# Allegro board LAY-27392_C.brd (continued)
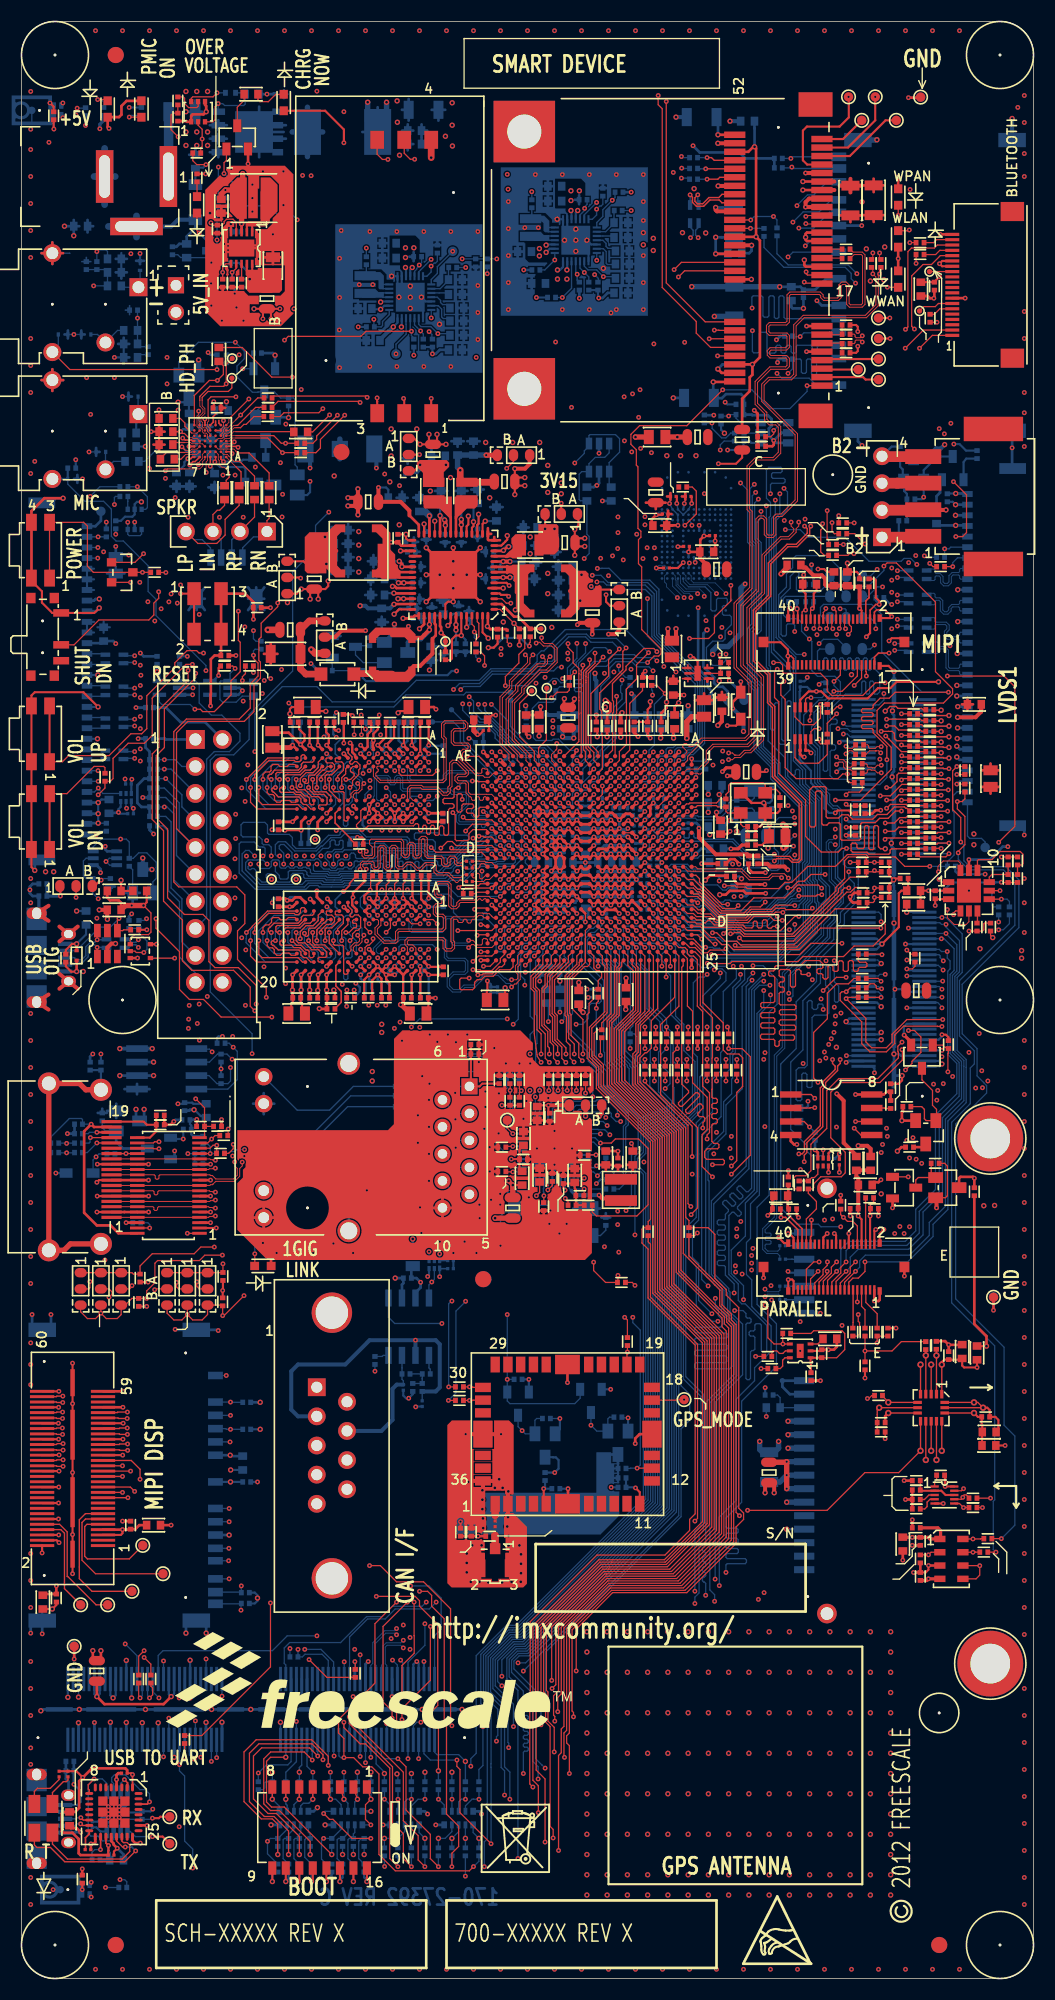
[diagram p0: board, top side]
## Routing (per net, layer and track width the routed paths; a pad name or vN(x,y) marks a point on that pad's centre or on a via; arc(x,y) is an arc through that point) (continued)
  L6_INT_2 w0.114: v1(13.88,24.51) 15.03,23.37 33.78,23.37 34.38,23.97 v1(34.38,24)
  BOTTOM w0.119: J508.40 v1(13.88,24.51) ; J508.102 v1(34.38,24)
EIM_DA0: length 149.4
  TOP w0.119: v1(28.88,20.07) 28.88,20.93 27.33,22.48 22.1,22.48 20.96,21.34 20.96,16.66 22.58,15.04 23.62,15.04 24.13,14.53 v2(24.13,11.68) ; R131.2 v1(58.67,86.49)
  TOP w0.178: v1(55.47,99.41) U1.L20
  L3_INT_1 w0.114: v1(55.47,99.41) 55.08,99.02 54.32,99.02 53.47,98.17 53.47,94.77 55.94,92.3 56.55,92.3 57.47,91.38 57.47,91.38 58.29,90.55 58.29,89.7 58.29,89.7 58.29,87.34 58.67,86.96 v1(58.67,86.49) 58.67,85.72 58.04,85.09 58.04,82.17 59.03,81.18 59.03,73.88 58.96,73.81 58.96,73.1 56.67,70.82 56.67,70.06 55.28,68.67 55.28,68.07 54.16,66.95 37.97,66.95 34.11,63.09 34.11,51.99 32.02,49.9 32.02,35.05 30.86,33.89 30.86,29.64 30.51,29.29 30.51,26.95 29.62,26.06 29.62,22.73 28.88,22 v1(28.88,20.07)
  L6_INT_2 w0.114: v1(13.38,20.88) 14.57,19.69 20.37,19.69 20.62,19.94 27.89,19.94 28.02,20.07 v1(28.88,20.07)
  BOTTOM w0.119: J508.80 v1(28.88,20.07) ; 24.13,12.45 v2(24.13,11.68) ; J508.38 v1(13.38,20.88)
  BOTTOM w0.127: R702.2 24.13,12.45
EIM_DA1: length 134.3
  TOP w0.119: v1(28.38,20.6) 28.38,21.07 27.36,22.1 22.35,22.1 21.46,21.21 21.46,16.66 22.86,15.27 23.77,15.27 25.15,13.89 v2(25.15,11.68) ; U1.J25 56.49,95.63 56.49,95.26 56.26,95.04 56.26,90.63 55.56,89.93 55.56,84.18 60.52,79.22 60.52,65 65.18,60.34 65.18,42.32 61.17,38.31 55.17,38.31 54.8,38.31 49.4,32.91 49.4,27.13 49.55,26.98 49.55,24.24 50.14,23.65 v1(50.14,21.34)
  L6_INT_2 w0.114: v1(50.14,21.34) 50.13,21.32 31.75,21.32 30.61,20.18 29.32,20.18 28.91,20.6 v1(28.38,20.6)
  BOTTOM w0.119: J508.78 v1(28.38,20.6) ; 25.15,12.45 v2(25.15,11.68)
  BOTTOM w0.127: R701.2 25.15,12.45
EIM_DA2: length 139.6
  TOP w0.119: v2(26.16,11.68) 26.16,13.39 24,15.54 23.22,15.54 21.84,16.92 21.84,20.96 22.61,21.72 27.13,21.72 v1(27.89,20.96)
  TOP w0.178: v1(55.47,98.61) U1.L21
  L6_INT_2 w0.114: v2(26.16,11.68) 26.16,11.25 26.61,10.79 32.89,10.79 33.53,10.16 35.27,10.16 35.27,10.15 35.59,10.15 35.6,10.16 36.54,10.16 36.54,10.15 36.86,10.15 36.87,10.16 37.81,10.16 37.81,10.15 38.13,10.15 38.14,10.16 39.08,10.16 39.08,10.15 39.4,10.15 39.41,10.16 40.35,10.16 40.35,10.15 40.67,10.15 40.68,10.16 43.01,10.16 43.02,10.15 43.17,10.15 v1(43.56,10.54)
  BOTTOM w0.119: v1(27.89,20.96) 27.88,20.96 J508.76 ; 26.16,12.45 v2(26.16,11.68) ; v1(55.47,98.61) 55.22,98.61 54.81,98.2 53.71,98.2 53.26,97.75 53.26,96.49 54.11,95.64 54.43,95.64 55.09,94.97 55.09,86.31 55.84,85.56 55.84,84.23 58.75,81.33 58.75,77.65 58.19,77.09 58.19,76.32 58.75,75.77 58.75,45.13 46.65,33.03 46.3,33.03 45.75,33.03 43.23,30.52 43.23,25.88 43.84,25.27 43.84,13.16 43.56,12.88 v1(43.56,10.54)
  BOTTOM w0.127: R700.2 26.16,12.45
EIM_DA3: length 141.3
  TOP w0.119: U1.K24 56.27,96.21 56.27,95.35 56.04,95.13 56.04,90.72 55.34,90.02 55.34,84.09 60.29,79.13 60.29,64.91 64.96,60.24 64.96,42.48 61.01,38.53 55.26,38.53 55.26,38.53 54.71,38.53 49.15,32.97 49.15,26.98 49.33,26.8 49.33,24.15 49.75,23.72 49.75,14.33 50.04,14.05 v1(50.04,13.24) ; v2(27.18,11.68) 27.18,12.93 24.28,15.82 23.44,15.82 22.81,16.46 22.81,20.68 23.47,21.34 26.62,21.34 27.08,20.88 27.08,20.87 v1(27.37,20.57)
  L6_INT_2 w0.114: v2(27.18,11.68) 28.29,12.8 43.22,12.8 43.89,13.46 49.82,13.46 v1(50.04,13.24)
  BOTTOM w0.119: 27.18,12.45 v2(27.18,11.68) ; v1(27.37,20.57) 27.37,21.14 27.38,21.15 J508.74
  BOTTOM w0.127: R699.2 27.18,12.45
EIM_DA4: length 114
  TOP w0.178: v1(55.47,97.81) U1.L22
  L6_INT_2 w0.114: v1(27.43,19.43) 27.43,18.92 27.98,18.38 31.37,18.38 32.11,17.64 44.07,17.64 44.43,17.28 v1(45.47,17.28)
  BOTTOM w0.119: v1(45.47,17.28) 45.47,19.56 45.15,19.88 45.15,25.59 43.93,26.81 43.93,30.27 46.02,32.37 46.39,32.37 46.93,32.37 59.42,44.86 59.42,81.59 56.81,84.21 56.81,85.78 55.97,86.61 55.97,89.57 55.76,89.79 55.76,95.25 55.08,95.93 55.08,97.17 55.47,97.56 v1(55.47,97.81) ; R690.2 v1(27.43,19.43)
  BOTTOM w0.127: J508.72 26.88,19.98 v1(27.43,19.43)
EIM_DA5: length 115.4
  TOP w0.178: v1(55.47,97.01) U1.L23
  L6_INT_2 w0.114: v2(26.16,19.43) 26.16,18.8 26.8,18.16 31.16,18.16 31.92,17.4 43.81,17.4 44.32,16.89 v1(45.97,16.89)
  BOTTOM w0.119: v1(45.97,16.89) 45.97,19.44 45.47,19.94 45.47,25.65 44.15,26.97 44.15,30.18 46.11,32.15 46.66,32.15 47.02,32.15 59.64,44.77 59.64,81.68 57.19,84.13 57.19,85.62 57.03,85.78 57.03,85.9 56.19,86.74 56.19,89.66 55.98,89.88 55.98,95.34 55.47,95.85 v1(55.47,97.01) ; R691.2 v2(26.16,19.43)
  BOTTOM w0.127: v2(26.16,19.43) 26.16,19.88 26.38,20.1 J508.70
EIM_DA6: length 114.2
  TOP w0.119: U1.K25 55.87,95.27 55.82,95.22 55.82,90.81 55.12,90.11 55.12,84 60.07,79.04 60.07,64.82 64.74,60.15 64.74,42.72 60.77,38.75 55.35,38.75 54.62,38.75 48.89,33.03 v1(48.89,25.81)
  L6_INT_2 w0.114: v1(25.88,24.21) 27.48,25.81 v1(48.89,25.81)
  BOTTOM w0.119: J508.68 v1(25.88,24.21) ; R692.2 24.89,19.43
  BOTTOM w0.127: J508.68 25.88,20.42 24.89,19.43
EIM_DA7: length 125.3
  TOP w0.119: U1.L25 55.07,95.43 55.12,95.38 55.12,90.87 53.67,89.42 53.67,86.78 54.54,85.91 54.54,83.94 55.53,82.96 59.63,78.86 59.63,64.58 64.3,59.91 64.3,42.91 60.59,39.19 55.53,39.19 54.43,39.19 48.39,33.15 48.39,26.33 48.13,26.08 48.13,18.67 48.64,18.16 v1(48.64,15.62)
  L6_INT_2 w0.114: v1(48.64,15.62) 48.26,16 33.22,16 33.06,16.17 32.72,16.17 32.55,16 29.2,16 27.81,17.39 25.66,17.39 v2(23.62,19.43)
  BOTTOM w0.119: R722.1 22.74,17.79 22.91,17.95 22.91,18.41 23.03,18.54 R693.2 v2(23.62,19.43)
EIM_DA8: length 137.1
  TOP w0.119: U1.L24 55.47,96.21 55.47,90.77 54.61,89.92 R120.2 54.22,89.27 53.89,88.95 53.89,86.87 54.76,86 54.76,84.04 55.75,83.05 59.85,78.95 59.85,64.67 64.52,60 64.52,42.81 60.68,38.97 55.44,38.97 55.44,38.97 54.53,38.97 48.61,33.06 48.61,26.23 48.44,26.06 48.44,19.63 49.28,18.8 v1(49.28,12.86) ; v2(24.88,20.84) 23.45,20.84 23.07,20.46 23.07,16.63 23.55,16.15 24.74,16.15 v2(29.21,11.68)
  L6_INT_2 w0.114: v2(29.21,11.68) 30.11,12.58 43.31,12.58 43.98,13.25 44.86,13.25 45.25,12.86 v1(49.28,12.86)
  BOTTOM w0.119: R698.2 v2(29.21,11.68)
  BOTTOM w0.127: J508.64 v2(24.88,20.84)
EIM_DA9: length 126.2
  TOP w0.119: v1(53.85,67.41) 53.85,66.62 54.97,65.51 R171.2 56.13,65.55 v1(56.13,66.17)
  TOP w0.178: v1(54.67,98.61) U1.M21
  L3_INT_1 w0.114: v1(56.13,66.17) 60.04,70.07 60.04,73.36 60.11,73.43 60.11,81.6 60.97,82.46 60.97,86.11 61.09,86.24 61.09,88.18 60.32,88.96 60.32,90.16 57.11,93.38 56.39,93.38 55.55,94.22 55.55,95.86 55.05,96.36 55.05,98.22 v1(54.67,98.61) ; v2(30.23,11.68) 29.91,12 29.91,12.41 25.43,16.89 25.43,17.58 24.38,18.62 v2(24.38,24.13) 24.92,24.66 27.61,24.66 30.12,27.18 30.12,29.16 29.77,29.51 29.77,33.38 31.7,35.31 31.7,50.24 33.76,52.3 33.76,63.17 38,67.41 v1(53.85,67.41)
  BOTTOM w0.119: 30.23,12.45 v2(30.23,11.68)
  BOTTOM w0.127: R697.2 30.23,12.45 ; J508.62 v2(24.38,24.13)
EIM_DA10: length 124.2
  TOP w0.119: v1(44.2,12.7) 41.27,15.62 41.27,19.69 40.98,19.98 v1(40.98,20.57)
  TOP w0.178: v1(54.67,97.81) U1.M22
  L6_INT_2 w0.114: v2(31.24,11.68) 31.88,12.32 43.81,12.32 v1(44.2,12.7)
  BOTTOM w0.119: R696.2 v2(31.24,11.68) ; v1(54.67,97.81) 54.42,97.81 54.01,97.4 53.71,97.4 53.48,97.17 53.48,96.58 54.2,95.86 54.52,95.86 55.31,95.07 55.31,89.6 55.44,89.48 55.44,86.28 56.22,85.51 56.22,84.17 58.97,81.42 58.97,45.03 46.74,32.81 46.2,32.81 45.84,32.81 43.48,30.46 43.48,26.24 44.2,25.53 44.2,20.24 44.19,20.23 44.19,19.9 44.2,19.9 v1(44.2,12.7) ; v1(40.98,20.57) 38.48,20.57 37.88,21.17 J508.116
EIM_DA11: length 115.5
  TOP w0.178: v1(54.67,99.41) U1.M20
  L6_INT_2 w0.114: v2(32.89,19.43) 33.53,19.43 34.04,19.94 36.62,19.94 v1(37.38,20.7) 39.07,19.02 42.95,19.02 43.06,19.13 43.06,19.58 43.16,19.69 43.32,19.69 43.43,19.58 43.43,19.13 43.53,19.02 43.69,19.02 43.79,19.13 43.79,19.58 43.9,19.69 44.05,19.69 44.16,19.58 44.16,19.13 44.27,19.02 44.42,19.02 44.53,19.13 44.53,19.58 44.64,19.69 44.79,19.69 44.9,19.58 44.9,19.13 45.01,19.02 45.61,19.02 45.85,19.25 45.85,19.99 45.62,20.22 42.93,20.22 42.7,19.99 v1(42.29,19.99)
  BOTTOM w0.119: v1(54.67,99.41) 54.67,99.16 53.93,98.42 53.62,98.42 53.04,97.84 53.04,95.67 54.78,93.92 54.78,87.21 54.87,87.12 54.87,86.03 55.5,85.4 55.5,84.26 58.53,81.24 58.53,77.74 57.97,77.18 57.97,76.23 58.53,75.67 58.53,45.22 46.56,33.25 45.65,33.25 42.8,30.4 42.8,21.21 42.29,20.7 v1(42.29,19.99) ; J508.114 v1(37.38,20.7)
  BOTTOM w0.127: R686.2 v2(32.89,19.43)
EIM_DA12: length 119.8
  TOP w0.119: U1.M24 54.67,96.21 54.67,95.52 54.9,95.28 54.9,90.96 53.45,89.52 53.45,86.69 54.32,85.82 54.32,83.85 55.31,82.87 59.41,78.77 59.41,64.49 64.08,59.82 64.08,43 60.5,39.42 55.63,39.42 55.63,39.42 54.34,39.42 48.13,33.21 48.13,26.39 47.84,26.1 47.84,18.33 v1(48.13,18.03)
  L6_INT_2 w0.114: v1(36.38,20.7) 35.88,20.19 33.78,20.19 33.53,19.94 32.13,19.94 v2(31.62,19.43) 31.62,18.92 32.69,17.86 47.54,17.86 47.72,18.03 v1(48.13,18.03)
  BOTTOM w0.119: J508.110 v1(36.38,20.7)
  BOTTOM w0.127: R687.2 v2(31.62,19.43)
EIM_DA13: length 124.3
  TOP w0.119: R133.2 v1(60.58,86.49)
  TOP w0.178: v1(54.67,97.01) U1.M23
  L3_INT_1 w0.114: v1(54.67,97.01) 54.67,96.21 55.17,95.71 55.17,94.29 56.3,93.16 57.02,93.16 60.08,90.1 60.08,88.51 60.29,88.3 60.29,87.19 60.58,86.9 v1(60.58,86.49) 60.58,85.47 60.19,85.08 60.19,81.99 59.89,81.69 59.89,73.52 59.82,73.45 59.82,70.36 56.39,66.93 55.91,66.93 54.98,66 40.54,66 39.05,64.51 38.35,64.51 35.05,61.21 35.05,47.75 34.54,47.24 34.54,46.58 34.44,46.48 34.14,46.48 34.04,46.37 34.04,46.22 34.14,46.11 34.44,46.11 34.54,46 34.54,45.85 34.44,45.74 34.14,45.74 34.04,45.63 34.04,45.48 34.14,45.37 34.44,45.37 34.54,45.26 34.54,45.11 34.44,45 34.14,45 34.04,44.9 34.04,44.74 34.14,44.64 34.44,44.64 34.54,44.53 34.54,44.37 34.44,44.27 34.14,44.27 34.04,44.16 34.04,44.01 34.14,43.9 34.44,43.9 34.54,43.79 34.54,43.64 34.44,43.53 34.14,43.53 34.04,43.42 34.04,43.27 34.14,43.16 34.44,43.16 34.54,43.05 34.54,42.9 34.44,42.79 34.14,42.79 34.04,42.69 34.04,42.53 34.14,42.43 34.44,42.43 34.54,42.32 34.54,42.17 34.44,42.06 34.14,42.06 34.04,41.95 34.04,41.8 34.14,41.69 34.44,41.69 34.54,41.58 34.54,41.43 34.44,41.32 34.14,41.32 34.04,41.21 34.04,41.06 34.14,40.95 34.44,40.95 34.54,40.84 34.54,40.69 34.44,40.58 34.14,40.58 34.04,40.48 34.04,40.32 34.14,40.22 34.44,40.22 34.54,40.11 34.54,39.96 34.44,39.85 34.14,39.85 34.04,39.74 34.04,39.59 34.14,39.48 34.44,39.48 34.54,39.37 34.54,39.22 34.44,39.11 34.14,39.11 34.04,39 34.04,38.85 34.14,38.74 34.44,38.74 34.54,38.63 34.54,38.48 34.44,38.37 34.14,38.37 34.04,38.27 34.04,38.11 34.14,38.01 34.44,38.01 34.54,37.9 34.54,37.75 34.44,37.64 34.14,37.64 34.04,37.53 34.04,37.38 34.14,37.27 34.44,37.27 34.54,37.16 34.54,35.99 33.96,35.41 33.96,35.17 33.85,35.06 33.2,35.06 33.1,34.95 33.1,34.8 33.2,34.69 33.85,34.69 33.96,34.58 33.96,34.43 33.85,34.32 33.2,34.32 33.1,34.21 33.1,34.06 33.2,33.95 33.85,33.95 33.96,33.85 33.96,33.69 33.85,33.59 33.2,33.59 33.1,33.48 33.1,33.32 33.2,33.22 33.85,33.22 33.96,33.11 33.96,32.96 33.85,32.85 33.2,32.85 33.1,32.74 33.1,32.59 33.2,32.48 33.85,32.48 33.96,32.37 33.96,32.22 33.85,32.11 33.2,32.11 33.1,32 33.1,31.85 33.2,31.74 33.85,31.74 33.96,31.64 33.96,30.94 v1(34.92,29.97) 34.92,29.01 32.32,26.4 32.32,23.43 30.99,22.1 30.99,20.45 30.35,19.81 v1(30.35,19.43)
  BOTTOM w0.119: J508.105 35.38,29.51 v1(34.92,29.97) ; R688.2 v1(30.35,19.43)
EIM_DA14: length 125.9
  TOP w0.119: R121.2 v1(58.67,89.53)
  TOP w0.178: v1(53.87,97.01) U1.N23
  L3_INT_1 w0.114: v1(29.08,19.43) 29.72,18.8 30.48,18.8 30.86,19.18 30.86,19.81 31.24,20.19 31.24,22.02 32.64,23.42 32.64,26.09 35.69,29.14 v1(35.69,29.97) ; v1(53.87,97.01) 53.87,94.68 56.03,92.51 56.64,92.51 58.67,90.48 v1(58.67,89.53) 58.67,88.17 59.09,87.76 59.09,85.76 58.25,84.92 58.25,82.59 59.25,81.6 59.25,73.79 59.18,73.72 59.18,72.85 56.97,70.64 56.97,69.9 55.5,68.43 55.5,67.79 54.36,66.65 37.97,66.65 34.33,63 34.33,48.55 33.15,47.37 33.15,46.88 33.04,46.77 32.39,46.77 32.28,46.66 32.28,46.51 32.39,46.4 33.04,46.4 33.15,46.29 33.15,46.14 33.04,46.03 32.39,46.03 32.28,45.92 32.28,45.77 32.39,45.66 33.04,45.66 33.15,45.55 33.15,45.4 33.04,45.29 32.39,45.29 32.28,45.19 32.28,45.03 32.39,44.93 33.04,44.93 33.15,44.82 33.15,44.67 33.04,44.56 32.39,44.56 32.28,44.45 32.28,44.3 32.39,44.19 33.04,44.19 33.15,44.08 33.15,43.93 33.04,43.82 32.39,43.82 32.28,43.71 32.28,43.56 32.39,43.45 33.04,43.45 33.15,43.35 33.15,43.19 33.04,43.08 32.39,43.08 32.28,42.98 32.28,42.82 32.39,42.72 33.04,42.72 33.15,42.61 33.15,42.46 33.04,42.35 32.39,42.35 32.28,42.24 32.28,42.09 32.39,41.98 33.04,41.98 33.15,41.87 33.15,41.72 33.04,41.61 32.39,41.61 32.28,41.5 32.28,41.35 32.39,41.24 33.04,41.24 33.15,41.14 33.15,40.89 32.26,40 32.26,33.15 31.37,32.26 v1(31.37,30.99)
  L6_INT_2 w0.114: v1(31.37,30.99) 34.67,30.99 v1(35.69,29.97)
  BOTTOM w0.119: v1(35.69,29.97) 35.88,29.78 J508.107 ; R689.2 v1(29.08,19.43)
EIM_DA15: length 149.6
  TOP w0.119: v1(47.65,26.59) 47.88,26.82 47.88,33.58 54.16,39.86 60.56,39.86 62.88,42.18 62.88,43.22 63.4,43.74 63.4,59.61 58.97,64.04 58.97,68.64 58.39,69.22 58.39,70.51 58.54,70.66 R167.2 58.98,71.22 59.19,71.43 59.19,78.67 55.09,82.77 54.1,83.76 54.1,85.72 53.23,86.6 53.23,90.7 53.42,90.88 53.42,91.76 53.78,92.13 53.78,92.9 53.97,93.08 R217.2 54.28,93.9 54.6,94.23 54.6,94.62 54.37,94.85 54.11,94.85 53.87,95.1 53.87,96.21 U1.N24
  L3_INT_1 w0.114: v2(32.26,11.68) 31.24,10.67 29.46,10.67 26.16,13.97 18.67,13.97 15.75,16.88 15.75,24.85 17.49,26.58 v1(18.88,26.58)
  L6_INT_2 w0.114: v1(47.65,26.59) 44.37,26.59 43.89,27.08 19.38,27.08 v1(18.88,26.58)
  BOTTOM w0.119: R695.2 v2(32.26,11.68) ; J508.59 v1(18.88,26.58)
EIM_EB0: length 129.7
  TOP w0.119: v1(35.31,35.43) 33.27,33.4 33.27,27.81 29.85,24.38 29.85,23.11 30.35,22.61 v1(30.35,20.8) 31.26,20.8 32.13,19.94 32.98,19.94 33.65,19.26 33.65,11.69 35.19,10.15 42.15,10.15 v1(42.54,10.55) ; R124.2 v1(61.72,89.53)
  TOP w0.178: v1(56.27,98.61) U1.K21
  L3_INT_1 w0.114: v1(35.31,35.43) 35.31,47.12 35.56,47.37 35.56,60.99 38.65,64.08 39.23,64.08 40.7,65.54 56.35,65.54 60.26,69.45 60.26,73.27 60.32,73.34 60.32,81.44 61.18,82.3 61.18,86.02 61.33,86.18 61.33,87.88 61.72,88.27 v1(61.72,89.53) 61.25,89.53 57.2,93.59 56.48,93.59 55.85,94.22 55.85,98.2 v1(56.27,98.61)
  BOTTOM w0.119: J508.84 29.88,20.97 30.05,20.8 v1(30.35,20.8) ; R703.2 43.05,11.05 42.55,10.55 v1(42.54,10.55)
EIM_EB1: length 108
  TOP w0.178: v1(56.27,97.01) U1.K23
  L6_INT_2 w0.114: v1(46.3,23.72) v1(43.43,23.72) 41.27,23.72 39.52,21.97 30.45,21.97 v1(29.43,20.96)
  BOTTOM w0.119: v1(46.3,23.72) 46.3,25.83 44.59,27.55 44.59,30 46.29,31.7 47.2,31.7 60.08,44.59 60.08,81.87 57.75,84.2 57.75,85.69 57.47,85.97 57.47,86.16 56.64,86.99 56.64,89.84 56.42,90.06 56.42,95.52 56.27,95.68 v1(56.27,97.01) ; v1(43.43,23.72) 43.43,20.07 43.05,19.69 R678.2 ; J508.82 29.38,21 v1(29.43,20.96)
EIM_EB2: length 126.4
  TOP w0.119: R219.2 v1(15.37,20.83)
  TOP w0.178: U1.E22 v1(60.27,97.81)
  L3_INT_1 w0.114: v1(40.51,23.8) v2(40.51,19.43)
  L6_INT_2 w0.114: v1(15.37,20.83) 15.37,21.59 16.13,22.35 39.07,22.35 v1(40.51,23.8) 40.83,24.12 47.96,24.12 48.18,23.89 v1(48.89,23.89)
  BOTTOM w0.119: v1(60.27,97.81) 60.33,97.81 60.74,97.4 61.23,97.4 61.55,97.08 61.55,90.57 62.33,89.79 62.33,87.32 62.34,87.32 63.37,86.28 63.37,81.65 62.07,80.35 62.07,55.78 62.89,54.97 62.89,52.55 62.07,51.73 62.07,43.47 49.33,30.73 49.33,25.55 48.89,25.12 v1(48.89,23.89) ; v1(15.37,20.83) 15.37,22.46 J508.46
  BOTTOM w0.127: R680.2 v2(40.51,19.43)
EIM_EB3: length 106.2
  TOP w0.119: v1(37.46,36.45) 38.23,36.45 38.61,36.07 38.61,35.05 39.79,33.87 39.79,24.23 39.24,23.69 v2(39.24,19.56)
  TOP w0.127: R136.2 v1(64.52,86.49)
  TOP w0.178: U1.F23 v1(59.47,97.01)
  L3_INT_1 w0.114: v1(37.46,36.45) 37.46,37.01 36.98,37.49 36.98,45.82 38.1,46.94 38.1,62.1 39.21,63.21 40.74,63.21 41.91,64.39 57.91,64.39 61.33,67.81 61.33,72.82 61.4,72.89 61.4,80.81 63.65,83.05 63.65,85.62 v1(64.52,86.49) 64.07,86.93 64.07,89.81 62.88,91 61.62,91 59.23,93.39 59.23,96.14 59.47,96.38 v1(59.47,97.01)
  BOTTOM w0.127: R681.2 v2(39.24,19.56)
EIM_LBA: length 158.9
  TOP w0.178: v1(56.27,97.81) U1.K22
  L6_INT_2 w0.114: v1(41.78,9.65) 33.53,9.65 32.77,10.41 v1(16.13,10.41) ; v1(14.88,20.14) 16.89,20.14 18.14,21.39 28.42,21.39 29.41,20.4 30.51,20.4 31.65,21.54 42.34,21.54 42.54,21.74 v1(45.86,21.74)
  BOTTOM w0.119: R704.2 v1(41.78,9.65) ; v1(56.27,97.81) 55.88,97.42 55.88,95.75 56.2,95.43 56.2,89.97 56.42,89.75 56.42,86.86 57.25,86.03 57.25,85.87 57.46,85.66 57.46,84.18 59.86,81.78 59.86,44.68 47.11,31.93 46.57,31.93 46.2,31.93 44.37,30.09 44.37,27.3 45.78,25.88 45.78,22.23 45.86,22.16 v1(45.86,21.74) ; J508.44 v1(14.88,20.14) 14.88,19.56 15.37,19.07 15.37,12.95 16.13,12.19 v1(16.13,10.41)
EIM_OE: length 123.1
  TOP w0.119: v1(49.9,28.07) 49.9,33.1 54.89,38.09 55.08,38.09 55.08,38.09 61.33,38.09 65.41,42.16 65.41,60.43 60.74,65.1 60.74,79.32 55.78,84.27 55.78,89.38 57.58,91.18 57.58,94.82 57.07,95.33 57.07,96.21 U1.J24
  L6_INT_2 w0.114: v1(49.9,28.07) 22.86,28.07 22.1,28.83 13.97,28.83 13.38,29.42 v1(13.38,29.89)
  BOTTOM w0.119: J508.37 v1(13.38,29.89)
EIM_RW: length 113.6
  TOP w0.178: v1(56.27,99.41) U1.K20
  L6_INT_2 w0.114: v1(44.7,22.35) 51.61,22.35 51.82,22.15 51.82,20.57 51.59,20.35 50.77,20.35 50.67,20.45 v2(41.78,20.45)
  BOTTOM w0.119: v2(41.78,20.45) 41.15,21.08 39.12,21.08 38.88,21.31 J508.120 ; v1(56.27,99.41) 55.86,99 55.86,98.43 55.63,98.2 55.31,98.2 55.08,97.97 55.08,97.62 54.85,97.4 54.51,97.4 54.28,97.17 54.28,96.42 55.54,95.16 55.54,89.7 55.75,89.48 55.75,86.43 56.51,85.67 56.51,84.19 59.2,81.5 59.2,44.95 46.84,32.59 46.48,32.59 45.93,32.59 43.71,30.37 43.71,26.48 44.83,25.35 44.83,22.89 44.7,22.77 v1(44.7,22.35)
  BOTTOM w0.127: R679.2 v2(41.78,20.45)
EIM_WAIT: length 115.9
  TOP w0.119: v1(40.51,10.54) 40.51,11.81 41.15,12.45 41.15,14.35 40,15.49 40,23.95 40.39,24.33 40.39,34.8 37.84,37.34 36.47,37.34 36.46,37.34 35.31,37.34 33.78,38.86 v1(32.77,38.86) ; U1.M25 v1(54.27,95.25)
  TOP w0.127: R132.2 v1(59.56,86.49)
  L3_INT_1 w0.114: v1(32.77,38.86) 32.77,40 33.45,40.68 33.45,47.03 34.54,48.13 34.54,61.32 38.17,64.94 38.87,64.94 40.36,66.43 54.67,66.43 55.85,67.61 56.06,67.61 59.39,70.95 59.39,73.63 59.46,73.7 59.46,84.01 59.18,84.29 59.18,85.21 59.56,85.6 v1(59.56,86.49) 59.56,87.08 59.3,87.34 59.3,90.2 56.77,92.73 56.12,92.73 54.27,94.58 v1(54.27,95.25)
  BOTTOM w0.119: R705.2 v1(40.51,10.54)
EMMC_3V3: length 7.8
  TOP w0.203: v1(64.22,135.73) 64.72,135.73 C23.1 ; v1(62.78,134.23) 62.85,134.3 C25.1
  TOP w0.254: v1(64.22,135.73) 63.88,135.38 63.88,134.28 C26.1 63.83,134.23 v1(62.78,134.23)
  TOP w0.381: SH11.2 64.44,133.05 63.88,133.6 63.88,134.2 C26.1
  BOTTOM w0.203: U512.M6 v1(62.78,134.23) U512.N5 ; U512.U9 v1(64.22,135.73) U512.T10
EMMC_VDDI: length 3.2
  TOP w0.203: v1(59.74,132.72) C27.1
  BOTTOM w0.076: U512.K2 60.53,132.48 59.98,132.48 v1(59.74,132.72) 60,132.97 60.53,132.97 U512.K2
EMMCIO_3V3: length 12
  TOP w0.127: C22.1 60.75,136.73
  TOP w0.203: 61.75,136.7 v1(61.78,136.73)
  TOP w0.254: 60.76,139.45 C19.1 ; C19.1 61.07,139.76 ; C19.1 61.07,139.13 ; C21.1 61.16,137.8 ; C21.1 60.85,137.48 ; C21.1 60.85,138.11 ; C20.1 62.47,139.76 ; C20.1 62.47,139.13 ; C20.1 62.15,139.45 ; C22.1 60.72,137.29 ; C22.1 60.72,136.12 ; C22.1 61.24,136.7 ; C22.1 60.2,136.7 ; 58.76,138.86 SH8.2 ; SH8.2 59.69,138.25 ; SH8.2 60.62,138.86 ; v1(61.78,136.73) 60.75,136.73
  BOTTOM w0.127: v1(60.99,138.79) U512.AA3 U512.Y4 U512.W4 v1(61.78,136.73)
  BOTTOM w0.152: U512.K6 v1(62.85,133.19)
  BOTTOM w0.203: v1(62.38,138.79) U512.AA5
ENET_REF_CLK: length 1.6
  BOTTOM w0.119: C726.1 49.78,93.98 49.4,93.6 R626.2
ENET_REFCLK: length 5.2
  TOP w0.178: U1.V22 49.47,98.21 v1(49.07,97.81)
  BOTTOM w0.119: C726.2 49.78,96.32 49.46,96.65 49.46,97.23 49.07,97.62 v1(49.07,97.81) ; C726.2 R623.2 ; C726.2 R624.1
EPD_PWR: length 16.1
  TOP w0.254: v2(14.1,26.54) 13.39,25.83 7.82,25.83 v2(7.11,26.54) SH26.2
  BOTTOM w0.203: J508.39 13.88,26.76 v2(14.1,26.54) 14.38,26.82 J508.41 ; J508.13 7.38,26.81 v2(7.11,26.54) 6.88,26.77 J508.11
EPDC_CS0: length 45.4
  TOP w0.119: v1(81.15,132.89) 81.45,133.19 82.33,133.19 86,129.51 86,122.96 87.61,121.35 87.61,120.87 86.76,120.02 81.2,120.02 80.51,119.32 80.51,117.18 81.84,115.85 81.84,113.77 78.95,110.88 v1(76.59,110.88)
  BOTTOM w0.119: v1(81.15,132.89) 81.15,132.48 79.66,130.99 77.34,130.99 77.14,131.19 76.71,131.19 76.07,131.83 R583.3 ; v1(76.59,110.88) 77.76,110.88 77.77,110.87 79.21,110.87 J504.81
EPDC_CSP1_CLK: length 45.9
  BOTTOM w0.119: R590.3 75.11,125.09 74.9,124.89 74.9,123.27 75.06,123.11 75.38,123.11 75.49,123.22 75.49,124.15 75.6,124.26 75.75,124.26 75.86,124.15 75.86,123.22 75.97,123.11 76.13,123.11 76.24,123.22 76.24,124.15 76.35,124.26 76.5,124.26 76.61,124.15 76.61,123.22 76.72,123.11 76.87,123.11 76.98,123.22 76.98,124.15 77.09,124.26 77.25,124.26 77.36,124.15 77.36,123.22 77.47,123.11 77.62,123.11 77.73,123.22 77.73,124.15 77.84,124.26 77.99,124.26 78.1,124.15 78.1,123.22 78.21,123.11 78.37,123.11 78.48,123.22 78.48,124.15 78.59,124.26 78.74,124.26 78.85,124.15 78.85,123.22 78.96,123.11 79.11,123.11 79.22,123.22 79.22,124.15 79.33,124.26 79.49,124.26 79.6,124.15 79.6,123.22 79.71,123.11 79.86,123.11 79.97,123.22 79.97,124.15 80.08,124.26 80.23,124.26 80.34,124.15 80.34,123.18 80.76,122.76 80.76,121.07 80.54,120.85 80.3,120.85 80.19,120.96 80.19,121.96 80.08,122.07 79.92,122.07 79.81,121.96 79.81,120.96 79.7,120.85 79.55,120.85 79.44,120.96 79.44,121.96 79.33,122.07 79.18,122.07 79.07,121.96 79.07,120.96 78.96,120.85 77.55,120.85 76.09,119.4 76.09,118.62 76.21,118.5 76.63,118.5 76.76,118.38 76.76,118.15 76.63,118.03 76.21,118.03 76.09,117.91 76.09,116.26 76.24,116.1 76.49,116.1 76.62,115.98 76.62,115.71 76.48,115.57 76.22,115.57 76.09,115.44 76.09,113.18 76.44,112.84 J504.89
EPDC_I2C3_SCL: length 3.4
  TOP w0.119: v1(12.07,26.42) 12.36,26.71 12.36,27.36 12.19,27.53 R204.2
  BOTTOM w0.119: v1(12.07,26.42) 11.88,26.6 J508.31
EPDC_I2C3_SDA: length 3.3
  TOP w0.119: v1(11.18,26.42) 11.05,26.54 R205.2
  BOTTOM w0.119: J508.29 11.38,26.62 v1(11.18,26.42)
EPDC_MISO: length 42.5
  BOTTOM w0.119: J504.85 75.95,111.84 75.13,112.66 75.13,115.88 74.65,116.36 74.65,117.77 74.8,117.92 74.8,119 74.98,119.18 75.26,119.18 75.45,118.99 75.45,113.71 75.57,113.59 75.75,113.59 75.87,113.71 75.87,119.67 77.06,120.86 77.06,122 76.53,122.53 74.91,122.53 74.37,123.06 74.37,125.81 v1(74.14,126.03) 73.41,126.77 73.41,127.58 73.05,127.94 72.05,127.94 71.7,128.3 71.7,129.84 71.9,130.05 R584.3
EPDC_MOSI: length 42.6
  TOP w0.119: v1(81.43,114.68) 81.43,115.93 81.11,116.25 81.11,116.25 80.14,117.22 80.14,117.5 80.03,117.61 79.15,117.61 79.04,117.72 79.04,117.87 79.15,117.98 80.03,117.98 80.14,118.09 80.14,118.24 80.03,118.35 79.15,118.35 79.04,118.46 79.04,118.62 79.15,118.73 80.03,118.73 80.14,118.84 80.14,118.99 80.03,119.1 79.15,119.1 79.04,119.21 79.04,119.36 79.15,119.47 80.03,119.47 80.14,119.58 80.14,119.81 80.8,120.47 81.66,120.47 82.22,121.03 v1(87.22,121.03)
  BOTTOM w0.119: v1(87.22,121.03) 84.73,121.03 80.95,124.82 80.95,128.35 80,129.29 75.47,129.29 75.18,129.01 75.18,128.27 75.44,128.02 R586.3 ; J504.87 80.77,112.34 81.43,113 v1(81.43,114.68)
EPDC_RST_B: length 3.1
  TOP w0.119: v1(80.88,93.84) 80.62,94.11 R115.2
  BOTTOM w0.119: J504.33 v1(80.88,93.84)
EPDC_SDCE3: length 6.4
  BOTTOM w0.119: J508.66 25.38,20.43 25.07,20.12 23.06,20.12 v1(22.3,19.35) R722.2
ETH_3V3: length 176.7
  TOP w0.203: L18.1 v2(46.24,74.66) ; v1(51.17,74.18) 51,74.35 C99.1 51.96,74.81 C97.1 52.07,74.33 52.18,74.23 R161.1 52.19,73.66 R163.1 R164.1 ; v1(11.81,98.68) R112.1
  TOP w0.254: U1.R19 v1(52.27,100.21)
  TOP w0.381: v2(46.24,74.66) v2(45.85,75.06)
  TOP w0.508: v2(46.24,74.66) 46.24,73.5 SH24.2
  L3_INT_1 w0.203: v1(11.91,129.54) 11.91,128.45 11.86,128.4 11.86,106.05 12.75,105.16 12.75,100.71 12.24,100.2 12.24,99.11 v1(11.81,98.68) ; v1(48.46,158.17) 48.44,158.17 v1(42.8,152.53)
  L6_INT_2 w0.203: v1(42.8,152.53) 41.33,151.05 26.59,151.05 24.23,153.42 14.56,153.42 12.42,155.55 4.34,155.55 4.06,155.27 4.06,140.06 4.55,139.57 4.55,132.97 6.58,130.94 10.52,130.94 v1(11.91,129.54) ; v1(18.8,85.6) 18.34,85.6 13.21,90.73 13.21,97.82 12.34,98.68 v1(11.81,98.68)
  L6_INT_2 w0.381: v2(45.85,75.06) 41.66,75.06 40.39,76.33 29.11,76.33 25.55,79.88 22.86,79.88 21.34,81.41 21.34,83.06 v1(18.8,85.6)
  BOTTOM w0.127: U516.4 v1(51.17,74.18)
  BOTTOM w0.203: R657.1 54.48,75.18 v1(54.1,74.8) ; R629.1 v1(18.8,85.6) R639.1 ; R542.1 v1(48.46,158.17) ; C729.1 v2(50.67,93.85) R623.1
  BOTTOM w0.254: v1(52.27,100.21) 52.1,100.38 C719.1
  BOTTOM w0.381: v2(46.24,74.66) v2(45.85,75.06)
